# Altium PCB BCS1_REV2.2.PcbDoc (part 2 of 4) (continued)
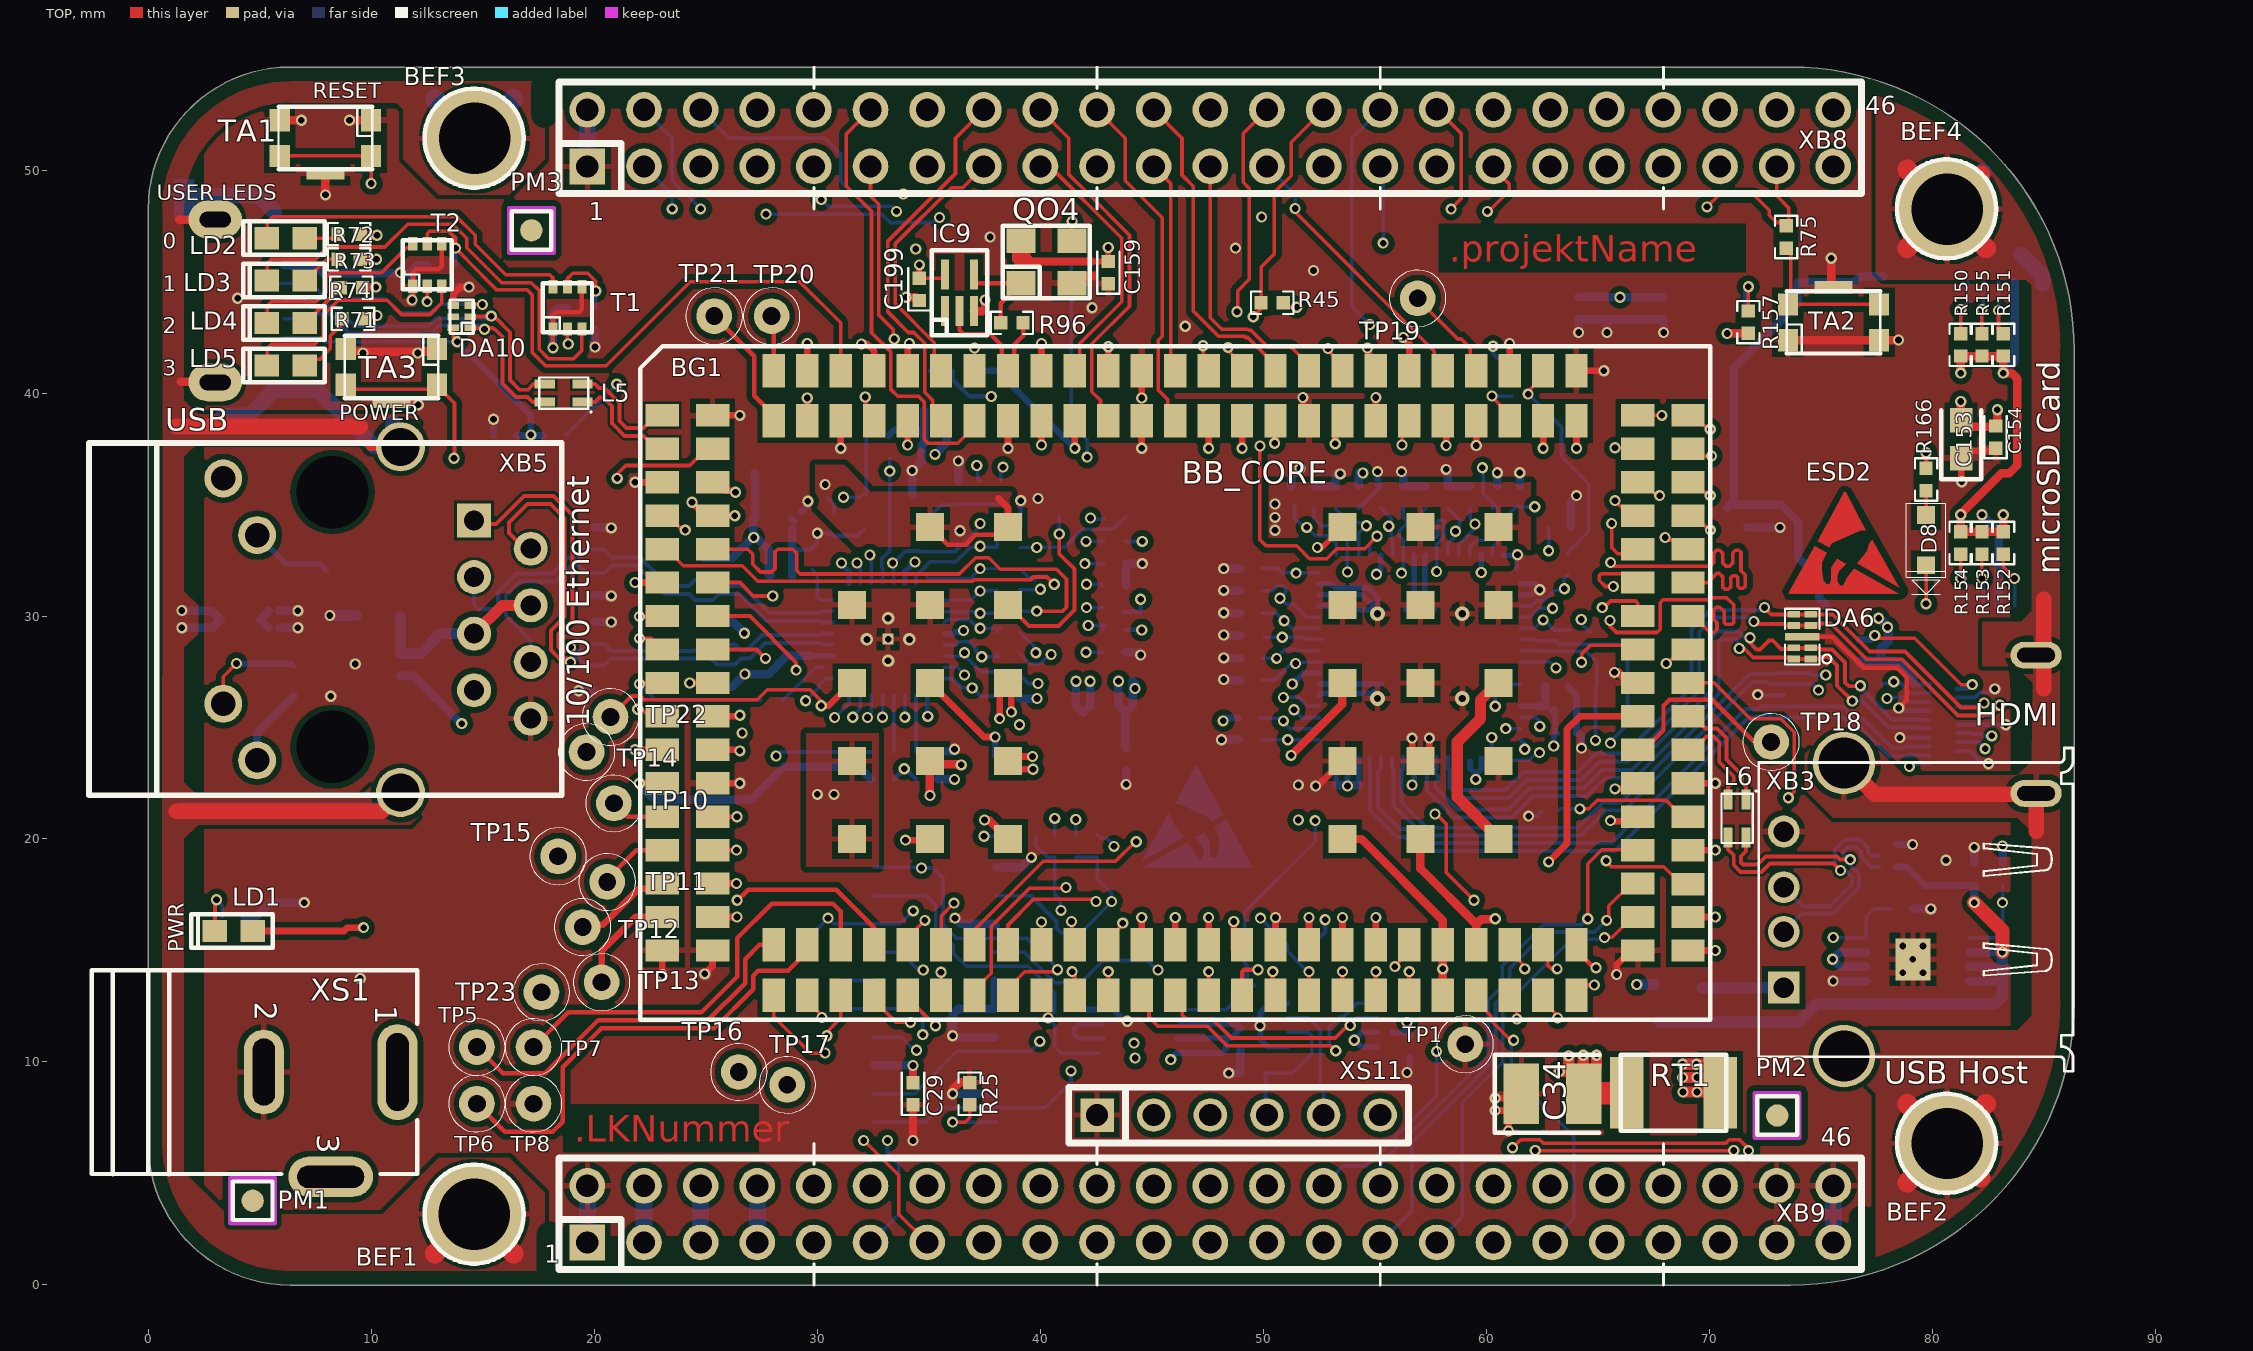
[diagram p0: TOP view]
## Nets (pads, with @x,y where several pads share a name; then routed paths per layer and width w, separated by ;. In a path a pad name is that pad's centre, name@x,y a point inside that pad or via, vN(x,y) a via of type N, cw(c..) or ccw(c..) an arc to the next point about the centre after c; other vN are vias at no path point) (continued)
  BOTTOM w0.2: IC11.32@61.55,24.45 61.725,24.275 v2(61.725,24.025) ; XB6.18@81.11,26.746 81.571,26.746 81.8,26.975 v1@81.85,26.975
  BOTTOM w0.3: R147.2@76.7,28.95 77.25,28.95 v1(77.425,29.125)
HDMI_HPD: IC11.31 XB6.1 | length 21.6
  TOP w0.16: v1@78.9,23.352 79,23.352 78.979,23.331 v1(78.979,23.251)
  LAYER 6 w0.16: v2(60.875,24.95) 61.811,24.95 62.2,24.561 62.606,24.561 62.893,24.848 62.893,24.868 62.975,24.95 69.45,24.95 70.15,25.65 75.862,25.65 76.112,25.4 76.83,25.4 v1(78.979,23.251)
  BOTTOM w0.16: v2(60.875,24.95) IC11.31@61.55,24.95 ; v1(78.979,23.251) 78.979,23.331 78.994,23.346 XB6.1@79.885,23.346
HDMI_INT: BG1.135 IC11.50 R158.2 | length 26.6
  TOP w0.3: BG1.135@40.05,41 v1(40.05,42.225)
  LAYER 6 w0.3: v1(40.05,42.225) 40.05,41.375 43.05,38.375 43.05,36.75 46.09,33.71 46.09,28.202 48.992,25.3 v1(50.9,25.3)
  BOTTOM w0.16: R158.2@49.875,25.425 50.725,25.425 51.2,24.95 IC11.50@52.5,24.95
HDMI_SWING: IC11.34 R148.1 | length 11
  LAYER 4_PWR1 w0.16: v2(60.25,24.55) 60.25,25.075 61,25.825 61,31.125 v1(62.8,32.925)
  BOTTOM w0.16: v1(62.8,32.925) 62.8,32.975 R148.1@62.8,33.975
  BOTTOM w0.2: IC11.34@60.25,24 v2(60.25,24.55)
HDMI_TX0_N: DA6.2 DA6.9 IC11.39 XB6.11 | length 31.6
  TOP w0.176: DA6.9@73.79,28.575 DA6.2@74.56,28.575
  TOP w0.177: v2(71.827,29.027) 71.775,28.975 71.775,28.85 72.123,28.502 72.277,28.502 72.675,28.9 72.85,28.9 73.225,28.525 73.74,28.525 DA6.9@73.79,28.575 ; DA6.2@74.56,28.575 74.936,28.575 75.004,28.508 75.505,28.508 76.091,27.921 76.091,27.02 76.26,26.851 76.754,26.851 v2(76.779,26.876)
  BOTTOM w0.177: IC11.39@57.775,23.675 57.775,23.158 57.702,23.085 57.702,22.948 57.85,22.8 57.85,22.673 57.702,22.525 57.702,22.325 58.702,21.325 61,21.325 61.954,22.279 64.375,22.279 65.196,23.1 66.525,23.1 70.075,26.65 70.075,29.001 70.378,29.304 71.321,29.304 71.598,29.027 v2(71.827,29.027) ; v2@76.696,26.876 v2@76.696,26.884 ; v2(76.779,26.876) 76.933,26.722 76.933,26.641 78.209,25.366 78.889,25.366 78.895,25.36 79.448,25.36 79.462,25.346 XB6.11@79.885,25.346
HDMI_TX0_P: DA6.1 DA6.10 IC11.40 XB6.9 | length 31.7
  TOP w0.176: DA6.10@73.79,28.075 DA6.1@74.56,28.075
  TOP w0.177: v2(71.348,28.548) 71.4,28.6 71.525,28.6 71.976,28.148 73.717,28.148 DA6.10@73.79,28.075 ; DA6.1@74.56,28.075 74.936,28.075 75.015,28.154 75.358,28.154 75.737,27.775 75.737,26.874 v2(76.418,26.193)
  BOTTOM w0.177: IC11.40@57.275,23.675 57.275,23.158 57.348,23.085 57.348,22.178 58.555,20.971 61.147,20.971 62.101,21.925 64.522,21.925 65.343,22.746 66.672,22.746 70.429,26.503 70.429,28.854 70.525,28.95 71.174,28.95 71.348,28.776 v2(71.348,28.548) ; v2(76.418,26.193) 76.857,26.193 78.038,25.012 78.743,25.012 78.748,25.006 79.302,25.006 79.362,24.946 XB6.9@79.885,24.946
HDMI_TX1_N: DA7.5 DA7.6 IC11.42 XB6.8 | length 35
  LAYER 3 w0.11: v2(75.229,27.351) 75.229,27.216 75.819,26.625 75.819,26.559 75.82,26.558 75.82,26.106 76.394,25.532 77.695,25.532 77.785,25.443 79.66,25.443 80.333,24.77 82.058,24.77 82.203,24.625 v1(82.675,24.625)
  BOTTOM w0.177: IC11.42@56.275,23.675 56.275,23.158 56.202,23.085 56.202,21.648 57.346,20.504 64.096,20.504 65.236,21.645 65.914,21.645 ; 65.915,21.644 66.044,21.644 71.804,27.404 72.94,27.404 72.986,27.45 DA7.5@73.115,27.45 DA7.6@73.885,27.45 74.55,27.45 74.649,27.351 v2(75.229,27.351) ; XB6.8@81.11,24.746 81.712,24.746 81.758,24.7 82.226,24.7 82.301,24.625 v1(82.675,24.625)
HDMI_TX1_P: DA7.4 DA7.7 IC11.43 XB6.6 | length 35
  LAYER 3 w0.11: v2(74.904,26.676) 75.249,26.676 75.5,26.425 75.5,25.974 76.261,25.212 77.563,25.212 77.652,25.123 79.527,25.123 80.2,24.45 81.925,24.45 82.325,24.05 v1(82.375,24.05)
  BOTTOM w0.177: IC11.43@55.775,23.675 55.775,23.158 55.848,23.085 55.848,21.501 57.199,20.15 64.242,20.15 65.382,21.291 65.768,21.291 66.19,21.29 71.951,27.05 72.625,27.05 72.725,26.95 DA7.4@73.115,26.95 DA7.7@73.885,26.95 74.63,26.95 v2(74.904,26.676) ; XB6.6@81.11,24.346 82.079,24.346 v1@82.341,24.084
HDMI_TX2_N: DA7.2 DA7.9 IC11.44 XB6.5 | length 31
  BOTTOM w0.176: 63.05,19.817 65.012,19.817 65.039,19.844 65.644,19.844 66.25,20.45 ; DA7.9@74.135,25.95 75.225,25.95 ; 78.743,24.081 78.807,24.146 XB6.5@79.885,24.146
  BOTTOM w0.177: IC11.44@55.275,23.675 55.275,23.158 55.15,23.033 55.15,21.425 56.125,20.45 56.47,20.45 57.102,19.817 63.05,19.817 ; 75.225,25.95 76.003,25.95 76.225,25.727 76.227,25.727 76.58,25.374 76.926,25.374 78.22,24.081 78.743,24.081
  BOTTOM w0.178: 66.25,20.45 71.635,25.835 72.245,25.835 72.349,25.939 72.68,25.939 72.691,25.95 DA7.2@73.115,25.95 DA7.9@73.885,25.95 DA7.9@74.135,25.95
HDMI_TX2_P: DA7.1 DA7.10 IC11.45 XB6.3 | length 31.6
  BOTTOM w0.176: 63.05,19.463 65.158,19.463 65.186,19.491 65.571,19.491 65.599,19.463 65.765,19.463 66.397,20.095 ; DA7.10@74.135,25.45 74.511,25.45 74.561,25.499 75.225,25.499 ; 78.596,23.728 78.889,23.728 78.907,23.746 XB6.3@79.885,23.746
  BOTTOM w0.177: IC11.45@54.775,23.675 54.775,23.158 54.796,23.137 54.796,21.278 55.979,20.096 56.323,20.096 56.956,19.463 63.05,19.463 ; 75.225,25.499 75.952,25.499 76.078,25.373 76.081,25.373 76.434,25.02 76.78,25.02 78.073,23.727 78.596,23.727
  BOTTOM w0.178: 66.397,20.095 71.782,25.48 72.392,25.48 72.496,25.584 72.666,25.584 72.8,25.45 DA7.1@73.115,25.45 DA7.10@73.885,25.45 DA7.10@74.135,25.45
HDMI_TXC_N: DA6.5 DA6.6 IC11.37 XB6.14 | length 33.1
  TOP w0.177: v2@72.519,30.338 72.782,30.075 DA6.6@73.79,30.075 DA6.5@74.56,30.075 75.541,30.075 77.2,28.416 78.784,28.416 81.301,25.9 82.128,25.9 v2(82.329,26.101)
  BOTTOM w0.177: IC11.37@58.775,23.675 58.775,23.158 58.702,23.085 58.702,22.45 58.952,22.2 60.873,22.2 61.677,23.004 64.104,23.004 64.929,23.829 66.229,23.829 69.2,26.8 69.2,29.426 70.053,30.279 72.379,30.279 v2(72.479,30.379) ; XB6.14@81.11,25.946 82.174,25.946 v2(82.329,26.101)
HDMI_TXC_P: DA6.4 DA6.7 IC11.38 XB6.12 | length 35.3
  TOP w0.177: v2(72.004,29.751) 72.107,29.648 73.339,29.648 73.411,29.575 DA6.7@73.79,29.575 DA6.4@74.56,29.575 74.936,29.575 74.9,29.611 74.9,29.665 75.45,29.665 77.053,28.062 78.638,28.062 81.154,25.546 82.274,25.546 82.309,25.581 82.609,25.581 v2(83.029,26.001)
  BOTTOM w0.177: IC11.38@58.275,23.675 58.275,23.158 58.348,23.085 58.348,22.303 58.805,21.846 61.019,21.846 61.823,22.65 64.251,22.65 65.076,23.475 66.376,23.475 69.554,26.653 69.554,29.279 70.2,29.925 v2@71.925,29.925 ; XB6.12@81.11,25.546 82.574,25.546 v2(83.029,26.001)
HDMICLK_DISN: BG1.136 IC9.2 R96.1 | length 6
  TOP w0.2: IC9.2@36.375,43.675 36.375,42.825 36.55,42.65 37.757,42.65 38.275,42.132 38.275,41.275 BG1.136@38.55,41 ; BG1.136@38.825,41.6 38.825,42.175 39.225,42.575 R96.1@39.225,43.15
I2C0_SCL: BG1.32 IC11.52 | length 30.8
  TOP w0.3: BG1.32@25.3,18 v1(26.375,18)
  LAYER 3 w0.16: v1(26.375,18) 27.75,18 31.225,21.475 31.239,21.461 36.211,21.461 40.925,26.175 50.725,26.175 v1(50.9,26.35)
  BOTTOM w0.16: v1(50.9,26.35) 51.58,26.35 51.98,25.95 52.211,25.95 IC11.52@52.5,25.95
I2C0_SDA: BG1.33 IC11.51 | length 31.2
  TOP w0.3: BG1.33@25.3,16.5 v1(26.4,16.5)
  LAYER 3 w0.16: v1(26.4,16.5) 26.925,16.5 31.566,21.141 36.391,21.141 41.05,25.8 v1(51.375,25.8)
  BOTTOM w0.16: v1(51.375,25.8) 51.725,25.45 IC11.51@52.5,25.45
I2C1_SCL: BG1.50 XB9.17 | length 19.8
  TOP w0.2: BG1.50@50.425,13 v1(50.425,14.05)
  LAYER 3 w0.16: v2(44.252,10.175) 44.852,10.775 47.322,10.775 50.017,13.47 50.02,13.47 50.4,13.85 50.4,13.9 v1@50.55,14.05
  LAYER 6 w0.16: XB9.17@40.005,1.905 41.275,3.175 41.275,8.45 42.7,9.875 43.9,9.875 44.25,10.225 44.252,10.223 v2(44.252,10.175)
I2C1_SDA: BG1.49 XB9.18 | length 18.5
  TOP w0.2: BG1.49@49.05,13 49.05,14.05 49.135,14.135 v1(49.765,14.135)
  LAYER 3 w0.16: v2(44.2,10.846) 44.2,10.85 44.475,11.125 47.22,11.125 49.32,13.225 49.32,13.69 v1(49.765,14.135)
  LAYER 6 w0.16: XB9.18@40.005,4.445 40.9,5.34 40.9,9.382 40.885,9.397 40.885,9.803 41.358,10.276 43.626,10.276 44.196,10.846 v2(44.2,10.846)
I2C2_SCL: BG1.72 XB9.19 | length 17.3
  TOP w0.3: BG1.72@46.05,15.25 v1(46.05,16.475)
  LAYER 6 w0.177: XB9.19@42.545,1.905 43.65,3.01 43.65,5.75 44,6.1 44,8.2 45.325,9.525 45.325,11.25 46.125,12.05 46.125,16.4 v1(46.05,16.475)
I2C2_SDA: BG1.71 XB9.20 | length 15.1
  TOP w0.3: BG1.71@44.55,15.25 v1(44.55,16.475)
  LAYER 6 w0.177: XB9.20@42.545,4.445 42.545,5.395 43.65,6.5 43.65,8.425 44.076,8.851 44.081,8.851 44.374,9.144 44.374,9.149 44.9,9.675 44.925,9.675 44.975,9.725 44.975,11.525 45.776,12.326 45.776,15.249 v1(44.55,16.475)
JTAG_EMU0: BG1.77 R23.2 XS2.13 | length 26.7
  TOP w0.3: BG1.77@53.55,15.25 v1(53.55,16.475)
  LAYER 3 w0.16: v1(34.75,14.125) 35.375,13.5 35.75,13.5 36.953,14.703 43.122,14.703 44.585,13.24 47.433,13.24 48.04,13.847 48.04,14.461 49.164,15.585 53.085,15.585 53.55,16.05 v1(53.55,16.475)
  BOTTOM w0.16: XS2.13@32.537,14.922 33.727,14.922 34.525,14.125 v1(34.75,14.125) ; v1(53.55,16.475) 53.575,16.45 R23.2@53.575,15.625
JTAG_EMU1: BG1.51 R24.2 XS2.14 | length 18.4
  TOP w0.2: BG1.51@52.05,13 v1(52.05,14.05)
  LAYER 3 w0.16: v2(45.277,14.126) 46.949,14.126 ; 46.95,14.125 47.06,14.235 47.06,14.253 47.557,14.75 47.877,14.75 49.032,15.905 49.332,15.905 v2(49.877,16.451)
  BOTTOM w0.16: XS2.14@37.948,14.922 39.286,14.922 40.648,13.561 41.836,13.561 42.825,14.55 44.8,14.55 45.224,14.126 v2(45.277,14.126) ; v2(49.877,16.451) 49.877,16.448 50.05,16.275 R24.2@50.7,15.625 51.075,15.25 51.075,14.975 52,14.05 v1(52.05,14.05)
JTAG_TCK: BG1.52 XS2.9 XS2.11 | length 30.8
  TOP w0.2: BG1.52@53.55,13 v1(53.55,14.05)
  LAYER 3 w0.16: v2(34.725,11.225) 35.075,10.875 35.45,10.875 35.9,10.425 41.75,10.425 42.985,11.66 42.985,11.853 43.448,12.316 44.227,12.316 44.343,12.2 47.328,12.2 48.68,13.552 48.68,14.196 49.429,14.945 51.848,14.945 52.743,14.05 v1(53.55,14.05)
  BOTTOM w0.16: XS2.11@32.537,13.652 30.987,13.652 30.785,13.45 30.785,12.573 30.975,12.383 XS2.9@32.537,12.383 34.518,12.383 34.725,12.175 v2(34.725,11.225)
JTAG_TDI: BG1.78 XS2.3 | length 28
  TOP w0.3: BG1.78@55.05,15.25 v1(55.05,16.475)
  LAYER 3 w0.16: v1@39.878,10.922 40.05,10.75 41.35,10.75 43.236,12.636 44.36,12.636 44.441,12.555 47.23,12.555 48.36,13.685 48.36,14.328 49.297,15.265 54.39,15.265 55.05,15.925 v1(55.05,16.475)
  BOTTOM w0.121: v1@39.878,10.795 v1@39.878,10.922
  BOTTOM w0.16: XS2.3@32.537,8.572 34.353,8.572 36.258,10.477 39.56,10.477 v1@39.878,10.795
  other v1: 39.975,10.925
JTAG_TDO: BG1.53 XS2.7 | length 26.9
  TOP w0.2: BG1.53@55.05,13 v1(55.05,14.05)
  LAYER 3 w0.16: v1@34.29,10.525 v1(34.45,10.525) 35.347,10.525 35.822,10.05 40,10.05 40.95,9.1 42.05,9.1 42.635,9.685 45.575,9.685 45.645,9.615 46.615,9.615 50.15,13.15 54.575,13.15 55.05,13.625 v1(55.05,14.05)
  BOTTOM w0.16: XS2.7@32.537,11.112 33.762,11.112 34.35,10.525 v1(34.45,10.525)
JTAG_TMS: BG1.79 XS2.1 | length 29.6
  TOP w0.16: v1(55.9,14.275) 55.9,14.3 56.55,14.95 BG1.79@56.55,15.25
  LAYER 3 w0.16: v2(41.375,9.6) 41.378,9.6 42.553,10.775 43.432,10.775 43.993,11.336 44.105,11.336 44.245,11.475 47.117,11.475 49,13.358 49,14.063 49.562,14.625 50.715,14.625 51.84,13.5 54.325,13.5 54.56,13.735 54.56,14.253 54.847,14.54 55.635,14.54 v1(55.9,14.275)
  BOTTOM w0.16: XS2.1@32.537,7.302 34.861,7.302 35.496,7.938 40.195,7.938 41.375,9.117 v2(41.375,9.6)
JTAG_TRSTN: BG1.54 R25.1 XS2.2 | length 27.8
  TOP w0.16: v1(36.068,7.302) 36.639,7.302 36.83,7.493 R25.1@36.83,8.064
  TOP w0.2: BG1.54@56.55,13 v1(56.55,14.05)
  LAYER 3 w0.16: v1(36.068,7.302) 36.403,7.302 37.875,8.775 42.2,8.775 42.79,9.365 45.443,9.365 45.513,9.295 46.795,9.295 50.225,12.725 55.225,12.725 v1(56.55,14.05)
  BOTTOM w0.16: v1(36.068,7.302) XS2.2@38.037,7.302
LCD_DATA0: BG1.94 C173.1 IC11.15 XB8.45 | length 72.5
  TOP w0.16: v2(68.075,27.875) 68.125,27.875 68.75,28.5 BG1.94@69.05,28.5
  LAYER 3 w0.16: v1(62.178,34.902) 62.275,34.999 62.275,35.6 62.095,35.78 61.448,35.78 61.01,36.218 61.01,36.93 63.805,39.725 65.775,39.725 66.715,40.665 66.715,42.765 69.387,45.437 69.387,45.929 69.675,46.217 70.492,46.217 70.725,46.45 70.725,47.65 70.85,47.775 71.1,47.775 71.25,47.625 71.25,46.325 71.35,46.225 71.7,46.225 71.8,46.325 71.8,48.225 71.925,48.35 72.2,48.35 72.375,48.175 72.375,47.15 72.525,47 72.825,47 72.925,47.1 72.925,48.125 73.05,48.25 75.375,48.25 75.565,48.44 XB8.45@75.565,50.165
  LAYER 6 w0.16: v1(62.178,34.902) 62.178,35.272 61.515,35.935 61.24,35.935 61,36.175 61,36.825 60.85,36.975 60.35,36.975 60.15,37.175 60.15,37.85 60.45,38.15 62.85,38.15 63.325,37.675 63.325,37.275 63.625,36.975 64.225,36.975 64.55,37.3 64.55,38.375 64.675,38.5 64.975,38.5 65.175,38.3 65.175,37.2 65.23,37.145 65.233,37.145 65.328,37.05 66.375,37.05 66.5,36.925 66.5,35.65 66.575,35.575 66.775,35.575 66.875,35.675 66.875,36.475 67.15,36.75 67.15,37.425 67.225,37.5 67.525,37.5 67.675,37.35 67.675,36.475 67.225,36.025 67.225,35.05 67.365,34.91 67.74,34.91 67.925,34.725 67.925,34.525 68.05,34.4 68.25,34.4 68.35,34.5 68.35,35.375 68.475,35.5 68.625,35.5 68.725,35.4 68.725,34.525 68.875,34.375 69,34.375 69.125,34.5 69.125,35.45 69.2,35.525 69.425,35.525 69.56,35.39 69.56,35.363 69.555,35.358 69.555,34.52 69.733,34.342 70.283,34.342 70.565,34.06 70.565,32.485 68.7,30.62 68.7,28.5 v2(68.075,27.875) ; v1@62.226,34.949 v1@62.3,34.875
  BOTTOM w0.16: IC11.15@60.275,32.725 60.275,33.092 61.058,33.875 61.058,34.604 61.354,34.9 61.51,34.9 62.178,34.9 62.3,34.9 62.298,34.902 v1(62.178,34.902)
LCD_DATA1: BG1.111 C171.1 IC11.13 XB8.46 | length 72.3
  TOP w0.16: v2(64.275,27.925) 64.275,28.297 64.673,28.695 66.605,28.695 BG1.111@66.8,28.5
  LAYER 3 w0.16: v1(59.828,36.652) 60.034,36.652 60.307,36.925 60.553,36.925 63.678,40.05 65.625,40.05 66.395,40.82 66.395,43.167 67.358,44.13 67.77,44.542 67.77,44.92 68.408,45.558 68.408,45.923 68.74,46.255 69.261,46.255 69.525,46.519 69.525,47.125 69.62,47.22 69.83,47.22 69.9,47.15 69.9,46.65 69.975,46.575 70.25,46.575 70.35,46.675 70.35,47.865 70.76,48.275 70.9,48.275 71.35,48.725 71.825,48.725 71.975,48.875 71.975,49.1 72.05,49.175 72.35,49.175 72.45,49.075 72.45,48.85 72.575,48.725 73.375,48.725 73.525,48.875 73.525,49.15 73.65,49.275 73.85,49.275 74,49.125 74,48.7 74.125,48.575 74.425,48.575 74.525,48.675 74.525,51.075 74.655,51.205 75.055,51.205 75.175,51.325 75.175,51.6 74.875,51.9 74.275,51.9 74.15,52.025 74.15,52.525 74.33,52.705 XB8.46@75.565,52.705
  LAYER 6 w0.16: v1(59.828,36.652) 59.873,36.652 59.851,36.674 59.4,37.125 51.257,37.125 51.007,36.875 49.625,36.875 48.35,35.6 48.35,35.325 48.675,35 48.675,34.85 48.35,34.525 48.35,34.3 54.175,28.475 60.838,28.475 61.088,28.225 63.975,28.225 v2(64.275,27.925)
  BOTTOM w0.16: IC11.13@59.275,32.725 59.27,32.73 59.27,33.087 59.573,33.39 59.943,33.39 60.505,33.952 60.505,34.826 C171.1@60.51,34.831 59.875,35.465 59.875,36.65 59.851,36.674 v1(59.828,36.652) ; C171.1@60.285,34.831 C171.1@60.285,34.891
LCD_DATA2: BG1.95 C172.1 IC11.12 R75.1 XB8.43 | length 72.2
  TOP w0.16: v1(65.55,29.8) 65.55,29.55 65.84,29.26 67.649,29.26 67.8,29.411 67.8,30.6 67.925,30.725 69.925,30.725 70.025,30.825 70.775,30.825 71.1,30.5 71.1,29.7 71.025,29.625 70.75,29.625 70.675,29.7 70.675,30.2 70.475,30.4 70.325,30.4 70.2,30.275 70.2,29.85 70.35,29.7 70.35,29.4 70.2,29.25 70.05,29.25 69.3,30 BG1.95@69.05,30 ; v2(69.9,48.35) 70.425,48.875 72.025,48.875 72.7,48.2 72.7,47.975 73.025,47.65 73.3,47.65 R75.1@73.45,47.5 73.575,47.625 73.575,48.3 73.025,48.85 XB8.43@73.025,50.165
  LAYER 3 w0.16: v1(59.5,34.125) 59.525,34.15 61.125,34.15 61.6,34.625 61.6,35.15 60.825,35.925 60.25,35.925 60.013,36.162 59.625,36.162 59.338,36.449 59.338,36.855 59.643,37.16 59.753,37.16 60.19,37.597 60.669,37.597 63.447,40.375 65.375,40.375 66.075,41.075 66.075,43.3 66.537,43.762 67.45,44.675 67.45,44.9 67.25,45.1 67.25,45.225 68.6,46.575 69.075,46.575 69.197,46.697 69.197,47.25 69.488,47.54 69.765,47.54 69.9,47.675 v2(69.9,48.35)
  LAYER 6 w0.16: v1(59.5,34.125) 59.825,34.125 59.925,34.225 59.925,34.4 59.775,34.55 56.875,34.55 56.725,34.4 56.725,33.3 57.535,32.49 57.978,32.49 58.265,32.203 58.265,31.797 57.978,31.51 57.49,31.51 56.585,32.415 55.94,32.415 55.625,32.1 55.625,31.725 55.618,31.725 55.278,31.385 54.91,31.385 54.725,31.2 54.725,31 54.875,30.85 55.425,30.85 55.425,30.847 55.992,30.28 56.645,30.28 57.47,29.455 61.215,29.455 61.375,29.295 63.12,29.295 63.285,29.46 63.285,29.965 63.42,30.1 63.65,30.1 63.769,29.981 63.769,29.431 63.9,29.3 64.406,29.3 64.756,29.65 65.025,29.65 65.125,29.55 65.125,29.45 65.275,29.3 65.45,29.3 65.55,29.4 v1@65.55,29.55 ; v1(65.55,29.8) v1@65.55,29.875
  BOTTOM w0.16: IC11.12@58.775,32.725 58.775,33.225 59.5,33.95 v1(59.5,34.125) 59.285,34.34 C172.1@59.285,34.831
LCD_DATA3: BG1.112 C170.1 IC11.11 XB8.44 | length 72.7
  TOP w0.16: v2@65.2,30.3 65.237,30.337 65.575,30.675 66.7,30.675 66.8,30.575 BG1.112@66.8,30
  LAYER 3 w0.16: v1(58.625,33.8) 59.005,34.18 59.005,34.427 59.06,34.482 59.06,36.274 59.018,36.316 59.018,37.811 59.347,38.14 60.759,38.14 62.825,40.206 62.825,41.044 63.14,41.359 63.14,41.365 63.655,41.88 63.655,42.916 64.439,43.7 64.775,43.7 65.2,43.275 65.45,43.275 65.725,43.55 65.725,43.882 65.51,44.097 65.51,44.61 65.69,44.79 66.31,44.79 66.575,44.525 66.825,44.525 67.025,44.725 67.025,44.85 66.775,45.1 66.775,45.3 68.375,46.9 68.75,46.9 68.85,47 68.85,47.225 68.65,47.425 68.45,47.425 68.375,47.5 68.375,47.625 68.875,48.125 68.875,48.15 69,48.15 69.69,48.84 70.103,48.84 70.168,48.775 70.8,48.775 71.875,49.85 71.875,51 72,51.125 72.35,51.125 72.5,51.275 72.5,51.575 72.375,51.7 71.8,51.7 71.575,51.925 71.575,52.475 71.805,52.705 XB8.44@73.025,52.705
  LAYER 6 w0.16: v1(58.625,33.8) 58.425,33.8 58.3,33.675 58.3,33.575 58.775,33.1 58.775,32.95 58.7,32.875 58.575,32.875 58.15,33.3 57.9,33.3 57.7,33.5 57.7,33.85 57.45,34.1 57.225,34.1 57.05,33.925 57.05,33.475 57.715,32.81 58.115,32.81 58.775,32.15 58.775,31.35 58.85,31.275 59,31.275 59.125,31.4 59.125,33.425 59.3,33.6 59.425,33.6 59.525,33.5 59.525,32.575 59.625,32.475 59.775,32.475 59.85,32.55 59.85,33.2 59.95,33.3 60.05,33.3 60.15,33.2 60.15,32.3 60.25,32.2 60.45,32.2 60.575,32.325 60.575,33.25 60.125,33.7 60.125,33.825 60.2,33.9 60.35,33.9 60.9,33.35 60.9,32.557 61.207,32.25 61.75,32.25 61.9,32.4 61.9,33 61.975,33.075 62.225,33.075 62.3,33 62.3,32.4 62.45,32.25 62.825,32.25 63.062,32.487 63.262,32.487 63.325,32.425 63.325,31.85 63.425,31.75 63.65,31.75 63.75,31.85 63.75,32.175 63.85,32.275 64.65,32.275 64.88,32.045 65.208,32.045 65.403,31.85 65.997,31.85 66.017,31.87 66.795,31.87 67.025,32.1 67.225,32.1 67.325,32 67.325,31.725 67.575,31.475 67.575,31.35 67.325,31.1 67.325,29.75 67.25,29.675 67.075,29.675 66.975,29.775 66.975,31.475 66.9,31.55 66.7,31.55 66.62,31.47 66.62,29.77 66.475,29.625 66.15,29.625 66.05,29.725 66.05,30.275 65.95,30.375 v2(65.2,30.375)
  BOTTOM w0.16: IC11.11@58.275,32.725 58.275,33.228 58.625,33.578 v1(58.625,33.8) 58.8,33.975 58.8,34.315 C170.1@58.285,34.831
LCD_DATA4: BG1.96 C169.1 IC11.10 XB8.41 | length 72.3
  TOP w0.16: v2(65.578,32.402) 65.74,32.24 70.04,32.24 70.2,32.4 70.2,32.825 70.325,32.95 70.475,32.95 70.6,32.825 70.6,32.39 70.75,32.24 70.915,32.24 71.05,32.375 71.05,32.825 71.175,32.95 71.325,32.95 71.425,32.85 71.425,32.025 71.625,31.825 71.625,31.35 71.525,31.25 71.375,31.25 71.275,31.35 71.275,31.725 71.2,31.8 71.05,31.8 70.975,31.725 70.975,31.325 70.85,31.2 70.7,31.2 70.6,31.3 70.6,31.775 70.45,31.925 70.35,31.925 69.925,31.5 BG1.96@69.05,31.5
  LAYER 3 w0.16: v1(57.775,32) 58.1,32.325 58.1,32.45 58.25,32.6 60.15,32.6 60.25,32.7 60.25,33.125 60.1,33.275 58.225,33.275 58.1,33.4 58.1,33.975 58.74,34.615 58.74,36.142 58.698,36.184 58.698,37.943 59.214,38.46 60.088,38.46 61.388,39.76 61.388,40.18 61.663,40.455 61.783,40.455 62.82,41.492 62.82,41.77 63.3,42.25 63.3,43.014 65.396,45.11 66.26,45.11 66.413,45.263 66.413,45.587 66.225,45.775 66.225,46.022 66.328,46.125 66.625,46.125 66.775,45.975 66.95,45.975 67.25,46.275 67.25,46.425 67.025,46.65 67.025,46.822 67.178,46.975 67.35,46.975 67.575,46.75 67.725,46.75 67.85,46.875 67.85,47.275 67.775,47.35 67.5,47.35 67.4,47.45 67.4,47.725 67.975,48.3 68.132,48.3 68.507,48.675 69.025,48.675 69.425,49.075 69.425,50 69.59,50.165 XB8.41@70.485,50.165
  LAYER 6 w0.16: v1(57.775,32) 57.5,32 56.4,33.1 56.4,34.4 56.3,34.5 56.3,34.75 56.45,34.9 59.975,34.9 60.25,34.625 60.25,34.55 61.375,33.425 64.4,33.425 64.575,33.425 64.65,33.35 64.65,32.775 64.925,32.5 65.1,32.5 65.225,32.625 65.225,32.725 65,32.95 65,33.3 65.1,33.4 65.225,33.4 65.35,33.275 65.35,33 65.45,32.9 65.55,32.9 65.775,33.125 65.875,33.125 65.95,33.05 65.95,32.625 66.05,32.525 66.175,32.525 66.3,32.65 66.3,33.025 66.4,33.125 66.575,33.125 66.65,33.05 66.65,32.303 66.572,32.225 65.8,32.225 65.623,32.402 v2(65.578,32.402)
  BOTTOM w0.16: C169.1@57.285,34.831 56.775,34.321 56.775,33.525 56.875,33.425 57.1,33.425 57.175,33.5 57.175,34.25 57.25,34.325 57.425,34.325 57.5,34.25 57.5,33.625 57.6,33.525 57.725,33.525 57.825,33.625 57.825,34.216 57.9,34.291 58.059,34.291 58.125,34.225 58.125,33.55 57.775,33.2 IC11.10@57.775,32.725 v1(57.775,32)
LCD_DATA5: BG1.113 C163.1 IC11.7 XB8.42 | length 72.7
  TOP w0.16: v2(65.7,31.325) 65.35,31.325 65.075,31.6 65.075,31.825 65.15,31.9 66.4,31.9 BG1.113@66.8,31.5
  LAYER 3 w0.16: v2(56.2,31.925) 56.375,31.75 56.832,31.75 57.572,32.49 57.615,32.49 57.925,32.8 57.925,33.075 57.71,33.29 57.71,34.11 58.4,34.8 58.4,35.825 58.225,36 57.975,36 57.71,36.265 57.71,37.853 57.997,38.14 58.442,38.14 59.082,38.78 59.955,38.78 60.865,39.69 60.865,40.34 61.3,40.775 61.651,40.775 62.5,41.624 62.5,41.975 62.95,42.425 62.95,43.2 65.2,45.45 66.7,46.95 66.7,46.978 67,47.278 67,48.125 ; 67.025,48.125 67.025,48.175 67.875,49.025 68.775,49.025 69,49.25 69,50.975 69.2,51.175 69.85,51.175 69.95,51.275 69.95,51.625 69.8,51.775 69.175,51.775 69.075,51.875 69.075,52.475 69.305,52.705 XB8.42@70.485,52.705 XB8.42@70.485,52.635
  LAYER 6 w0.16: v2(56.2,31.925) 56.2,31.875 55.975,31.65 55.975,30.75 56.125,30.6 56.225,30.6 56.35,30.725 56.35,31.375 56.575,31.6 56.875,31.6 56.95,31.525 56.95,31.275 56.725,31.05 56.725,30.95 56.85,30.825 57,30.825 57.275,31.1 57.425,31.1 57.55,30.975 57.55,30.825 57.25,30.525 57.25,30.425 57.425,30.25 57.575,30.25 57.775,30.45 57.975,30.45 58.15,30.275 58.25,30.275 58.375,30.4 58.375,30.675 58.225,30.825 58.225,30.975 58.325,31.075 58.525,31.075 58.85,30.75 59,30.75 59.45,31.2 59.45,31.375 59.525,31.45 59.75,31.45 59.825,31.375 59.825,31.125 59.5,30.8 59.5,29.95 59.65,29.8 59.975,29.8 60.125,29.95 60.125,30.075 59.875,30.325 59.875,30.675 60.1,30.9 60.1,31.582 60.293,31.775 60.55,31.775 60.625,31.7 60.625,30.975 60.25,30.6 60.25,30.375 60.5,30.125 60.5,29.85 60.575,29.775 60.85,29.775 60.975,29.9 60.975,31.8 61.075,31.9 61.3,31.9 61.4,31.8 61.4,29.9 61.5,29.8 61.75,29.8 61.875,29.925 61.875,31.75 62.025,31.9 62.8,31.9 62.975,31.725 62.975,31.012 63.12,30.866 63.156,30.866 63.473,30.55 63.925,30.55 64.075,30.7 64.075,31.9 64.125,31.95 64.4,31.95 64.475,31.875 64.475,30.725 64.55,30.65 64.75,30.65 64.85,30.75 64.85,31.65 64.925,31.725 65.075,31.725 65.275,31.525 65.275,31.025 65.5,30.8 66,30.8 66.3,31.1 66.3,31.375 66.15,31.525 65.9,31.525 v2(65.7,31.325)
  BOTTOM w0.16: v2(56.2,31.925) 56.275,32 IC11.7@56.275,32.725 56.275,33.425 56.1,33.6 56.1,33.806 56.435,34.14 56.435,34.275 56.285,34.425 C163.1@56.285,34.831
LCD_DATA6: BG1.97 C162.1 IC11.6 XB8.39 | length 72.6
  TOP w0.16: v2(68.025,33.525) 68.025,33.5 68.125,33.4 68.65,33.4 BG1.97@69.05,33
  LAYER 3 w0.16: v1(55.625,34.025) 55.59,33.99 55.59,33.372 55.275,33.057 54.732,33.057 54.525,32.85 54.525,32.525 54.65,32.4 55.7,32.4 55.75,32.45 57.05,32.45 57.45,32.85 57.45,33.075 57.075,33.45 57.075,33.7 57.39,34.015 57.39,34.315 58.025,34.95 58.025,35.45 57.39,36.085 57.39,37.986 57.864,38.46 58.309,38.46 59.074,39.225 59.35,39.225 59.475,39.1 59.775,39.1 59.9,39.225 59.9,39.425 59.662,39.663 59.662,39.813 59.768,39.919 59.768,40.075 60.055,40.362 60.387,40.362 61.12,41.095 61.518,41.095 62.18,41.757 62.18,42.155 62.627,42.602 62.627,43.402 66.05,46.825 66.05,47 65.95,47.1 65.625,47.1 65.5,47.225 65.5,47.65 66.05,48.2 66.375,48.2 66.775,48.6 66.775,48.75 66.925,48.9 67.25,48.9 67.35,49 67.35,49.175 67.25,49.275 67.1,49.275 66.85,49.525 66.85,50.25 67,50.4 67.71,50.4 XB8.39@67.945,50.165
  LAYER 6 w0.16: v1(55.625,34.025) 55.625,33.375 55.325,33.075 55.15,33.075 54.775,32.7 54.475,32.7 54.265,32.49 54.265,32.11 54.365,32.01 54.517,32.01 54.872,32.365 55.065,32.365 55.975,33.275 55.975,33.75 56.075,33.85 56.075,34.25 55.45,34.875 55.2,34.875 55.1,34.775 55.1,34.675 54.975,34.55 54.85,34.55 54.75,34.65 54.75,34.775 54.65,34.875 54.525,34.875 54.422,34.772 54.422,34.54 54.307,34.425 54.175,34.425 54.1,34.5 54.1,34.8 54,34.9 53.825,34.9 53.75,34.825 53.75,34.525 53.625,34.4 53.4,34.4 53.25,34.55 53.25,35.1 53.375,35.225 53.966,35.225 53.997,35.194 54.933,35.194 54.964,35.225 60.225,35.225 60.625,34.825 60.825,34.825 60.95,34.7 60.95,34.347 61.552,33.745 65.337,33.745 65.627,33.455 66.895,33.455 66.98,33.37 66.98,32.55 67.105,32.425 67.23,32.425 67.33,32.525 67.33,33.305 67.425,33.4 67.575,33.4 67.7,33.275 67.7,31.85 68.025,31.525 68.025,31.325 67.65,30.95 67.65,29.6 67.75,29.5 67.9,29.5 68,29.6 68,30.825 68.425,31.25 68.425,31.6 68.025,32 v2(68.025,33.525)
  BOTTOM w0.16: C162.1@55.285,34.831 55.737,34.378 55.737,33.51 55.8,33.447 55.8,32.75 IC11.6@55.775,32.725
LCD_DATA7: BG1.114 C161.1 IC11.3 XB8.40 | length 72.5
  TOP w0.16: v2(65.625,34.15) 65.625,33.075 65.9,32.8 66.6,32.8 BG1.114@66.8,33
  LAYER 3 w0.16: v2(54.625,34.05) 54.675,34.1 55.007,34.1 55.422,34.515 55.828,34.515 56.125,34.218 56.125,33.075 56.325,32.875 56.575,32.875 56.75,33.05 56.75,33.85 57.07,34.17 57.07,34.495 57.625,35.05 57.625,35.35 57.07,35.905 57.07,38.118 57.732,38.78 58.105,38.78 59.448,40.123 59.448,40.207 59.923,40.682 60.232,40.682 60.965,41.415 61.386,41.415 61.86,41.889 61.86,42.31 62.307,42.757 62.307,43.582 65.15,46.425 65.15,47.175 64.95,47.375 64.775,47.375 64.65,47.5 64.65,47.775 65.125,48.25 65.125,48.65 65.425,48.95 65.95,48.95 66.45,49.45 66.45,51.075 66.575,51.2 67.3,51.2 67.45,51.35 67.45,51.625 67.275,51.8 66.8,51.8 66.55,52.05 66.55,52.525 66.73,52.705 XB8.40@67.945,52.705
  LAYER 6 w0.16: v2(54.625,34.05) 52.65,34.05 52.235,34.465 51.665,34.465 51.45,34.25 51.45,33.9 51.275,33.725 51.1,33.725 51.025,33.8 51.025,35.4 51.2,35.4 51.725,34.875 52,34.875 52.075,34.95 52.075,35.45 52.175,35.55 52.35,35.55 52.45,35.45 52.45,34.825 52.6,34.675 52.75,34.675 52.9,34.825 52.9,35.375 53.075,35.55 54.093,35.55 54.129,35.514 54.801,35.514 54.837,35.55 60.475,35.55 60.85,35.175 61.15,35.175 61.3,35.025 61.3,34.45 61.685,34.065 62.74,34.065 63.025,34.35 63.025,36.075 63.175,36.225 63.875,36.225 63.95,36.15 63.95,36 63.84,35.89 63.565,35.89 63.4,35.725 63.4,35.107 63.607,34.9 64.243,34.9 64.618,35.275 64.95,35.275 65.65,34.575 65.9,34.575 66.265,34.94 66.265,35.165 66.35,35.25 66.55,35.25 66.675,35.125 66.675,34.875 66.325,34.525 66.325,34.375 66.5,34.2 66.675,34.2 67.025,34.55 67.425,34.55 67.725,34.25 67.725,34.025 67.475,33.775 66,33.775 v2(65.625,34.15)
  BOTTOM w0.16: C161.1@53.248,34.819 53.892,34.175 54.425,34.175 54.575,34.025 54.275,33.725 IC11.3@54.275,32.725